# EAGLE board Mk4 Final Panel 8up 4x2 (EAGLE 9.0.1), part 3 of 23 (continued)
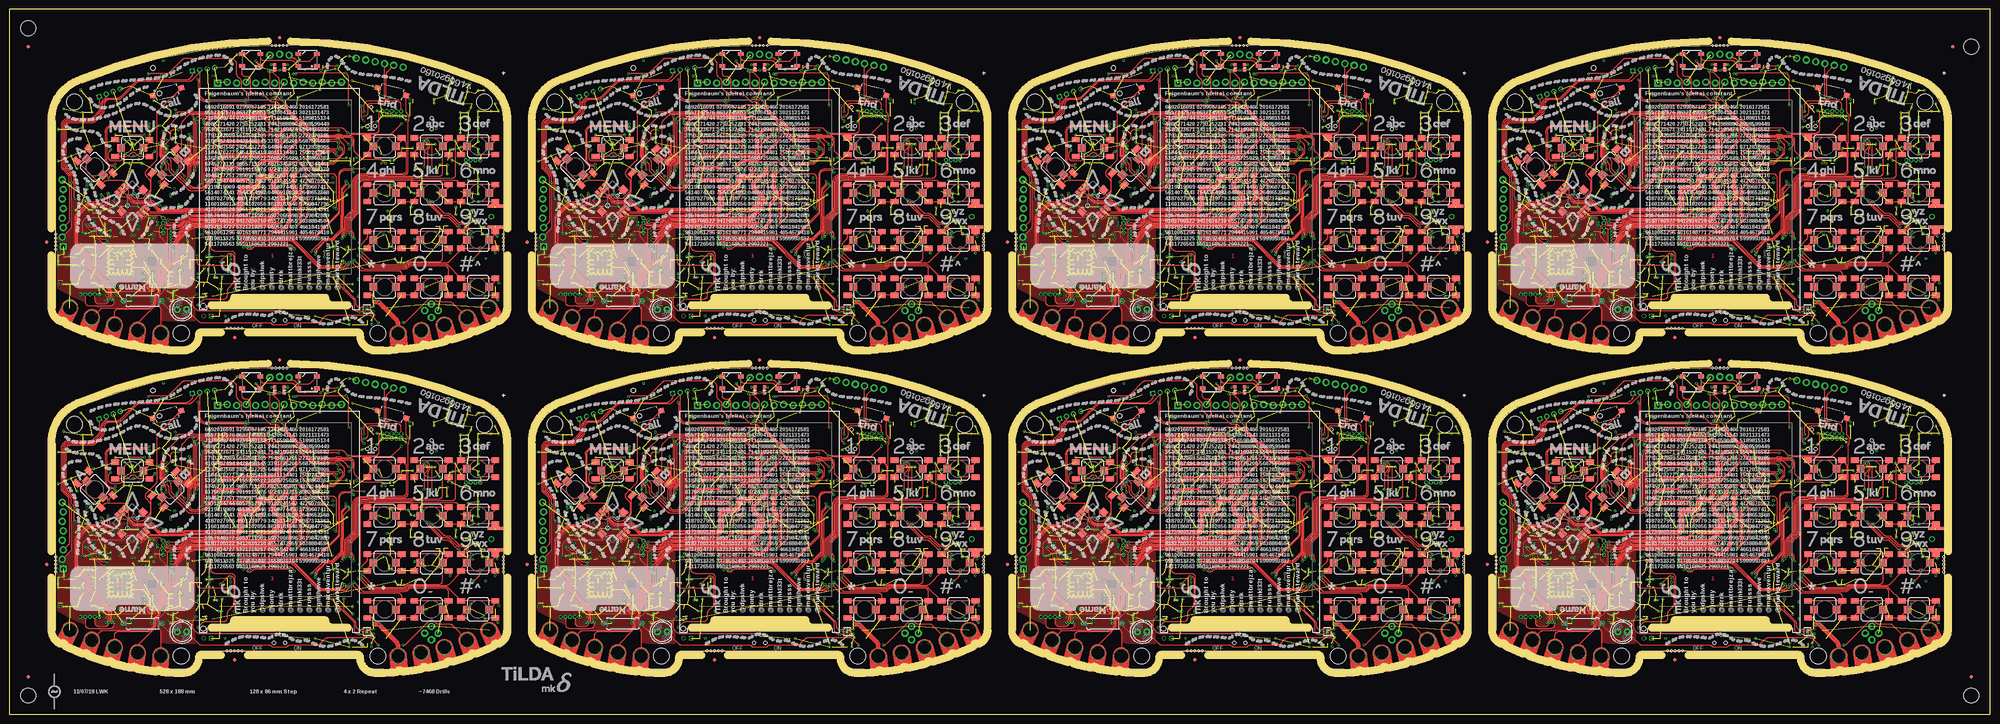
[diagram p0: board, top side]
## Placement (x,y rotation side) (continued)
R360  0402/10K/5%  [R0402-SMALLER]  349.75,59 90 bottom
R361  0402/10K/5%  [R0402-SMALLER]  350.25,61.5 180 bottom
R362  0402/22K/5%  [R0402-SMALLER]  348.25,61.5 0 bottom
R363  0402/22K/5%  [R0402-SMALLER]  348.25,60.5 0 bottom
R364  0402/14K7/5%  [R0402-SMALLER]  348.5,70.75 180 bottom
R365  0402/7K87/5%  [R0402-SMALLER]  346.5,70.75 0 bottom
R366  0402/10K/5%  [R0402-SMALLER]  353.5,66.5 270 bottom
R367  0402/10K/5%  [R0402-SMALLER]  355.75,61.75 180 bottom
R368  0402/10K/5%  [R0402-SMALLER]  362.25,71.5 180 bottom
R369  0402/150K/1%  [R0402-SMALLER]  289.95,71.45 0 bottom
R370  0402/150K/1%  [R0402-SMALLER]  289.95,70.45 0 bottom
R371  0402/10K/5%  [R0402-SMALLER]  372,25.75 90 bottom
R372  0402/732K/5%  [R0402-SMALLER]  296.95,26.35 270 bottom
R373  0402/162K/5%  [R0402-SMALLER]  297.95,26.35 90 bottom
R374  0402/10K/5%  [R0402-SMALLER]  280,28.75 270 bottom
R375  0402/100K/5%  [R0402-SMALLER]  277.25,47.2 90 bottom
R376  0402/100K/5%  [R0402-SMALLER]  278.25,47.2 90 bottom
R377  0402/100K/5%  [R0402-SMALLER]  281,28.75 270 bottom
R378  0402/10K/5%  [R0402-SMALLER]  276.5,52.25 90 bottom
R379  0402/100K/5%  [R0402-SMALLER]  279,49.25 180 bottom
R380  0402/100K/5%  [R0402-SMALLER]  293,31.75 180 bottom
R381  0402/100K/5%  [R0402-SMALLER]  293,29.75 180 bottom
R382  0402/100K/5%  [R0402-SMALLER]  294.75,38.5 90 bottom
R383  0402/100K/5%  [R0402-SMALLER]  286.5,28.25 270 bottom
R384  0402/100K/5%  [R0402-SMALLER]  282,27 270 bottom
R385  0402/100K/5%  [R0402-SMALLER]  277.25,41 90 bottom
R386  0402/10K/5%  [R0402-SMALLER]  342,39.75 90 bottom
R387  0402/150K/1%  [R0402-SMALLER]  289.95,72.4 0 bottom
R388  0402/150K/1%  [R0402-SMALLER]  290,69.5 0 bottom
R389  0402/10K/5%  [R0402-SMALLER]  286.75,68.5 0 bottom
R390  0402/0R/5%  [R0402-SMALLER]  289,73.5 180 bottom
R391  0402/12R/5%  [R0402-SMALLER]  468.5,51 270 bottom
R392  0402/12R/5%  [R0402-SMALLER]  467.5,51 270 bottom
R393  0402/12R/5%  [R0402-SMALLER]  466.5,51 270 bottom
R394  0402/12R/5%  [R0402-SMALLER]  465.5,51 270 bottom
R395  0402/2K/5%  [R0402-SMALLER]  457.27,86.5 270 bottom
R396  0402/4K7/5%  [R0402-SMALLER]  454.73,86.5 270 bottom
R397  0402/1K/5%  [R0402-SMALLER]  440.5,79.5 270 bottom
R398  0402/1K/5%  [R0402-SMALLER]  441.5,79.5 270 bottom
R399  0402/4K87/5%  [R0402-SMALLER]  446.25,69.25 0 bottom
R400  0402/10K/5%  [R0402-SMALLER]  454.5,77.25 180 bottom
R401  0402/1M/5%  [R0402-SMALLER]  446.75,71.75 90 bottom
R402  0402/2K/5%  [R0402-SMALLER]  459.75,74.95 90 bottom
R403  0402/1M/5%  [R0402-SMALLER]  473.75,90 270 bottom
R404  0402/100R/5%  [R0402-SMALLER]  474.25,86.5 180 bottom
R405  0402/10K/5%  [R0402-SMALLER]  463.5,56.25 270 bottom
R406  0402/10K/5%  [R0402-SMALLER]  474,53.75 90 bottom
R407  [0309/10]  419.5,24.25 180 top
R408  0402/10K/5%  [R0402-SMALLER]  433.75,27.25 90 bottom
R409  0402/10K/5%  [R0402-SMALLER]  441.75,35.25 0 bottom
R410  0402/10K/5%  [R0402-SMALLER]  441.75,34.25 180 bottom
R411  0402/2K/5%  [R0402-SMALLER]  441.75,36.25 180 bottom
R412  0402/10K/5%  [R0402-SMALLER]  437.25,42.5 180 bottom
R413  0402/10K/5%  [R0402-SMALLER]  437.25,41.5 180 bottom
R414  0402/10K/5%  [R0402-SMALLER]  437.75,40 90 bottom
R415  0402/4K7/5%  [R0402-SMALLER]  442.05,60.25 90 bottom
R416  0402/4K7/5%  [R0402-SMALLER]  443.05,60.25 90 bottom
R417  0402/4K7/5%  [R0402-SMALLER]  468.25,61 180 bottom
R418  0402/4K7/5%  [R0402-SMALLER]  468.25,59.75 180 bottom
R419  0402/100K/5%  [R0402-SMALLER]  421,28.75 180 bottom
R420  0402/51R/5%  [R0402-SMALLER]  493.5,64.5 90 bottom
R421  0402/51R/5%  [R0402-SMALLER]  495.5,64.5 90 bottom
R422  0402/51R/5%  [R0402-SMALLER]  496.5,64.5 90 bottom
R423  0402/4K7/5%  [R0402-SMALLER]  502.5,42.75 180 bottom
R424  0402/100K/5%  [R0402-SMALLER]  484.5,41.5 90 bottom
R425  0402/1K/5%  [R0402-SMALLER]  486,53.25 180 bottom
R426  0402/5K6/5%  [R0402-SMALLER]  486,46.25 0 bottom
R427  0402/1K/5%  [R0402-SMALLER]  486,54.25 180 bottom
R428  0402/1K/5%  [R0402-SMALLER]  486,51.25 180 bottom
R429  0402/1K/5%  [R0402-SMALLER]  486,50.25 180 bottom
R430  0402/1K/5%  [R0402-SMALLER]  486,49.25 180 bottom
R431  0402/1K/5%  [R0402-SMALLER]  486,45.25 180 bottom
R432  0402/1K/5%  [R0402-SMALLER]  486,47.25 180 bottom
R433  0402/5K6/5%  [R0402-SMALLER]  486,48.25 0 bottom
R434  0402/5K6/5%  [R0402-SMALLER]  486,52.25 0 bottom
R435  0402/1K/5%  [R0402-SMALLER]  486,44.25 180 bottom
R436  0402/1K/5%  [R0402-SMALLER]  486,43.25 180 bottom
R437  0402/10K/5%  [R0402-SMALLER]  476.75,59 90 bottom
R438  0402/10K/5%  [R0402-SMALLER]  477.75,59 90 bottom
R439  0402/10K/5%  [R0402-SMALLER]  478.25,61.5 180 bottom
R440  0402/22K/5%  [R0402-SMALLER]  476.25,61.5 0 bottom
R441  0402/22K/5%  [R0402-SMALLER]  476.25,60.5 0 bottom
R442  0402/14K7/5%  [R0402-SMALLER]  476.5,70.75 180 bottom
R443  0402/7K87/5%  [R0402-SMALLER]  474.5,70.75 0 bottom
R444  0402/10K/5%  [R0402-SMALLER]  481.5,66.5 270 bottom
R445  0402/10K/5%  [R0402-SMALLER]  483.75,61.75 180 bottom
R446  0402/10K/5%  [R0402-SMALLER]  490.25,71.5 180 bottom
R447  0402/150K/1%  [R0402-SMALLER]  417.95,71.45 0 bottom
R448  0402/150K/1%  [R0402-SMALLER]  417.95,70.45 0 bottom
R449  0402/10K/5%  [R0402-SMALLER]  500,25.75 90 bottom
R450  0402/732K/5%  [R0402-SMALLER]  424.95,26.35 270 bottom
R451  0402/162K/5%  [R0402-SMALLER]  425.95,26.35 90 bottom
R452  0402/10K/5%  [R0402-SMALLER]  408,28.75 270 bottom
R453  0402/100K/5%  [R0402-SMALLER]  405.25,47.2 90 bottom
R454  0402/100K/5%  [R0402-SMALLER]  406.25,47.2 90 bottom
R455  0402/100K/5%  [R0402-SMALLER]  409,28.75 270 bottom
R456  0402/10K/5%  [R0402-SMALLER]  404.5,52.25 90 bottom
R457  0402/100K/5%  [R0402-SMALLER]  407,49.25 180 bottom
R458  0402/100K/5%  [R0402-SMALLER]  421,31.75 180 bottom
R459  0402/100K/5%  [R0402-SMALLER]  421,29.75 180 bottom
R460  0402/100K/5%  [R0402-SMALLER]  422.75,38.5 90 bottom
R461  0402/100K/5%  [R0402-SMALLER]  414.5,28.25 270 bottom
R462  0402/100K/5%  [R0402-SMALLER]  410,27 270 bottom
R463  0402/100K/5%  [R0402-SMALLER]  405.25,41 90 bottom
R464  0402/10K/5%  [R0402-SMALLER]  470,39.75 90 bottom
R465  0402/150K/1%  [R0402-SMALLER]  417.95,72.4 0 bottom
R466  0402/150K/1%  [R0402-SMALLER]  418,69.5 0 bottom
R467  0402/10K/5%  [R0402-SMALLER]  414.75,68.5 0 bottom
R468  0402/0R/5%  [R0402-SMALLER]  417,73.5 180 bottom
R469  0402/12R/5%  [R0402-SMALLER]  340.5,137 270 bottom
R470  0402/12R/5%  [R0402-SMALLER]  339.5,137 270 bottom
R471  0402/12R/5%  [R0402-SMALLER]  338.5,137 270 bottom
R472  0402/12R/5%  [R0402-SMALLER]  337.5,137 270 bottom
R473  0402/2K/5%  [R0402-SMALLER]  329.27,172.5 270 bottom
R474  0402/4K7/5%  [R0402-SMALLER]  326.73,172.5 270 bottom
R475  0402/1K/5%  [R0402-SMALLER]  312.5,165.5 270 bottom
R476  0402/1K/5%  [R0402-SMALLER]  313.5,165.5 270 bottom
R477  0402/4K87/5%  [R0402-SMALLER]  318.25,155.25 0 bottom
R478  0402/10K/5%  [R0402-SMALLER]  326.5,163.25 180 bottom
R479  0402/1M/5%  [R0402-SMALLER]  318.75,157.75 90 bottom
R480  0402/2K/5%  [R0402-SMALLER]  331.75,160.95 90 bottom
R481  0402/1M/5%  [R0402-SMALLER]  345.75,176 270 bottom
R482  0402/100R/5%  [R0402-SMALLER]  346.25,172.5 180 bottom
R483  0402/10K/5%  [R0402-SMALLER]  335.5,142.25 270 bottom
R484  0402/10K/5%  [R0402-SMALLER]  346,139.75 90 bottom
R485  [0309/10]  291.5,110.25 180 top
R486  0402/10K/5%  [R0402-SMALLER]  305.75,113.25 90 bottom
R487  0402/10K/5%  [R0402-SMALLER]  313.75,121.25 0 bottom
R488  0402/10K/5%  [R0402-SMALLER]  313.75,120.25 180 bottom
R489  0402/2K/5%  [R0402-SMALLER]  313.75,122.25 180 bottom
R490  0402/10K/5%  [R0402-SMALLER]  309.25,128.5 180 bottom
R491  0402/10K/5%  [R0402-SMALLER]  309.25,127.5 180 bottom
R492  0402/10K/5%  [R0402-SMALLER]  309.75,126 90 bottom
R493  0402/4K7/5%  [R0402-SMALLER]  314.05,146.25 90 bottom
R494  0402/4K7/5%  [R0402-SMALLER]  315.05,146.25 90 bottom
R495  0402/4K7/5%  [R0402-SMALLER]  340.25,147 180 bottom
R496  0402/4K7/5%  [R0402-SMALLER]  340.25,145.75 180 bottom
R497  0402/100K/5%  [R0402-SMALLER]  293,114.75 180 bottom
R498  0402/51R/5%  [R0402-SMALLER]  365.5,150.5 90 bottom
R499  0402/51R/5%  [R0402-SMALLER]  367.5,150.5 90 bottom
R500  0402/51R/5%  [R0402-SMALLER]  368.5,150.5 90 bottom
R501  0402/4K7/5%  [R0402-SMALLER]  374.5,128.75 180 bottom
R502  0402/100K/5%  [R0402-SMALLER]  356.5,127.5 90 bottom
R503  0402/1K/5%  [R0402-SMALLER]  358,139.25 180 bottom
R504  0402/5K6/5%  [R0402-SMALLER]  358,132.25 0 bottom
R505  0402/1K/5%  [R0402-SMALLER]  358,140.25 180 bottom
R506  0402/1K/5%  [R0402-SMALLER]  358,137.25 180 bottom
R507  0402/1K/5%  [R0402-SMALLER]  358,136.25 180 bottom
R508  0402/1K/5%  [R0402-SMALLER]  358,135.25 180 bottom
R509  0402/1K/5%  [R0402-SMALLER]  358,131.25 180 bottom
R510  0402/1K/5%  [R0402-SMALLER]  358,133.25 180 bottom
R511  0402/5K6/5%  [R0402-SMALLER]  358,134.25 0 bottom
R512  0402/5K6/5%  [R0402-SMALLER]  358,138.25 0 bottom
R513  0402/1K/5%  [R0402-SMALLER]  358,130.25 180 bottom
R514  0402/1K/5%  [R0402-SMALLER]  358,129.25 180 bottom
R515  0402/10K/5%  [R0402-SMALLER]  348.75,145 90 bottom
R516  0402/10K/5%  [R0402-SMALLER]  349.75,145 90 bottom
R517  0402/10K/5%  [R0402-SMALLER]  350.25,147.5 180 bottom
R518  0402/22K/5%  [R0402-SMALLER]  348.25,147.5 0 bottom
R519  0402/22K/5%  [R0402-SMALLER]  348.25,146.5 0 bottom
R520  0402/14K7/5%  [R0402-SMALLER]  348.5,156.75 180 bottom
R521  0402/7K87/5%  [R0402-SMALLER]  346.5,156.75 0 bottom
R522  0402/10K/5%  [R0402-SMALLER]  353.5,152.5 270 bottom
R523  0402/10K/5%  [R0402-SMALLER]  355.75,147.75 180 bottom
R524  0402/10K/5%  [R0402-SMALLER]  362.25,157.5 180 bottom
R525  0402/150K/1%  [R0402-SMALLER]  289.95,157.45 0 bottom
R526  0402/150K/1%  [R0402-SMALLER]  289.95,156.45 0 bottom
R527  0402/10K/5%  [R0402-SMALLER]  372,111.75 90 bottom
R528  0402/732K/5%  [R0402-SMALLER]  296.95,112.35 270 bottom
R529  0402/162K/5%  [R0402-SMALLER]  297.95,112.35 90 bottom
R530  0402/10K/5%  [R0402-SMALLER]  280,114.75 270 bottom
R531  0402/100K/5%  [R0402-SMALLER]  277.25,133.2 90 bottom
R532  0402/100K/5%  [R0402-SMALLER]  278.25,133.2 90 bottom
R533  0402/100K/5%  [R0402-SMALLER]  281,114.75 270 bottom
R534  0402/10K/5%  [R0402-SMALLER]  276.5,138.25 90 bottom
R535  0402/100K/5%  [R0402-SMALLER]  279,135.25 180 bottom
R536  0402/100K/5%  [R0402-SMALLER]  293,117.75 180 bottom
R537  0402/100K/5%  [R0402-SMALLER]  293,115.75 180 bottom
R538  0402/100K/5%  [R0402-SMALLER]  294.75,124.5 90 bottom
R539  0402/100K/5%  [R0402-SMALLER]  286.5,114.25 270 bottom
R540  0402/100K/5%  [R0402-SMALLER]  282,113 270 bottom
R541  0402/100K/5%  [R0402-SMALLER]  277.25,127 90 bottom
R542  0402/10K/5%  [R0402-SMALLER]  342,125.75 90 bottom
R543  0402/150K/1%  [R0402-SMALLER]  289.95,158.4 0 bottom
R544  0402/150K/1%  [R0402-SMALLER]  290,155.5 0 bottom
R545  0402/10K/5%  [R0402-SMALLER]  286.75,154.5 0 bottom
R546  0402/0R/5%  [R0402-SMALLER]  289,159.5 180 bottom
R547  0402/12R/5%  [R0402-SMALLER]  468.5,137 270 bottom
R548  0402/12R/5%  [R0402-SMALLER]  467.5,137 270 bottom
R549  0402/12R/5%  [R0402-SMALLER]  466.5,137 270 bottom
R550  0402/12R/5%  [R0402-SMALLER]  465.5,137 270 bottom
R551  0402/2K/5%  [R0402-SMALLER]  457.27,172.5 270 bottom
R552  0402/4K7/5%  [R0402-SMALLER]  454.73,172.5 270 bottom
R553  0402/1K/5%  [R0402-SMALLER]  440.5,165.5 270 bottom
R554  0402/1K/5%  [R0402-SMALLER]  441.5,165.5 270 bottom
R555  0402/4K87/5%  [R0402-SMALLER]  446.25,155.25 0 bottom
R556  0402/10K/5%  [R0402-SMALLER]  454.5,163.25 180 bottom
R557  0402/1M/5%  [R0402-SMALLER]  446.75,157.75 90 bottom
R558  0402/2K/5%  [R0402-SMALLER]  459.75,160.95 90 bottom
R559  0402/1M/5%  [R0402-SMALLER]  473.75,176 270 bottom
R560  0402/100R/5%  [R0402-SMALLER]  474.25,172.5 180 bottom
R561  0402/10K/5%  [R0402-SMALLER]  463.5,142.25 270 bottom
R562  0402/10K/5%  [R0402-SMALLER]  474,139.75 90 bottom
R563  [0309/10]  419.5,110.25 180 top
R564  0402/10K/5%  [R0402-SMALLER]  433.75,113.25 90 bottom
R565  0402/10K/5%  [R0402-SMALLER]  441.75,121.25 0 bottom
R566  0402/10K/5%  [R0402-SMALLER]  441.75,120.25 180 bottom
R567  0402/2K/5%  [R0402-SMALLER]  441.75,122.25 180 bottom
R568  0402/10K/5%  [R0402-SMALLER]  437.25,128.5 180 bottom
R569  0402/10K/5%  [R0402-SMALLER]  437.25,127.5 180 bottom
R570  0402/10K/5%  [R0402-SMALLER]  437.75,126 90 bottom
R571  0402/4K7/5%  [R0402-SMALLER]  442.05,146.25 90 bottom
R572  0402/4K7/5%  [R0402-SMALLER]  443.05,146.25 90 bottom
R573  0402/4K7/5%  [R0402-SMALLER]  468.25,147 180 bottom
R574  0402/4K7/5%  [R0402-SMALLER]  468.25,145.75 180 bottom
R575  0402/100K/5%  [R0402-SMALLER]  421,114.75 180 bottom
R576  0402/51R/5%  [R0402-SMALLER]  493.5,150.5 90 bottom
R577  0402/51R/5%  [R0402-SMALLER]  495.5,150.5 90 bottom
R578  0402/51R/5%  [R0402-SMALLER]  496.5,150.5 90 bottom
R579  0402/4K7/5%  [R0402-SMALLER]  502.5,128.75 180 bottom
R580  0402/100K/5%  [R0402-SMALLER]  484.5,127.5 90 bottom
R581  0402/1K/5%  [R0402-SMALLER]  486,139.25 180 bottom
R582  0402/5K6/5%  [R0402-SMALLER]  486,132.25 0 bottom
R583  0402/1K/5%  [R0402-SMALLER]  486,140.25 180 bottom
R584  0402/1K/5%  [R0402-SMALLER]  486,137.25 180 bottom
R585  0402/1K/5%  [R0402-SMALLER]  486,136.25 180 bottom
R586  0402/1K/5%  [R0402-SMALLER]  486,135.25 180 bottom
R587  0402/1K/5%  [R0402-SMALLER]  486,131.25 180 bottom
R588  0402/1K/5%  [R0402-SMALLER]  486,133.25 180 bottom
R589  0402/5K6/5%  [R0402-SMALLER]  486,134.25 0 bottom
R590  0402/5K6/5%  [R0402-SMALLER]  486,138.25 0 bottom
R591  0402/1K/5%  [R0402-SMALLER]  486,130.25 180 bottom
R592  0402/1K/5%  [R0402-SMALLER]  486,129.25 180 bottom
R593  0402/10K/5%  [R0402-SMALLER]  476.75,145 90 bottom
R594  0402/10K/5%  [R0402-SMALLER]  477.75,145 90 bottom
R595  0402/10K/5%  [R0402-SMALLER]  478.25,147.5 180 bottom
R596  0402/22K/5%  [R0402-SMALLER]  476.25,147.5 0 bottom
R597  0402/22K/5%  [R0402-SMALLER]  476.25,146.5 0 bottom
R598  0402/14K7/5%  [R0402-SMALLER]  476.5,156.75 180 bottom
R599  0402/7K87/5%  [R0402-SMALLER]  474.5,156.75 0 bottom
R600  0402/10K/5%  [R0402-SMALLER]  481.5,152.5 270 bottom
R601  0402/10K/5%  [R0402-SMALLER]  483.75,147.75 180 bottom
R602  0402/10K/5%  [R0402-SMALLER]  490.25,157.5 180 bottom
R603  0402/150K/1%  [R0402-SMALLER]  417.95,157.45 0 bottom
R604  0402/150K/1%  [R0402-SMALLER]  417.95,156.45 0 bottom
R605  0402/10K/5%  [R0402-SMALLER]  500,111.75 90 bottom
R606  0402/732K/5%  [R0402-SMALLER]  424.95,112.35 270 bottom
R607  0402/162K/5%  [R0402-SMALLER]  425.95,112.35 90 bottom
R608  0402/10K/5%  [R0402-SMALLER]  408,114.75 270 bottom
R609  0402/100K/5%  [R0402-SMALLER]  405.25,133.2 90 bottom
R610  0402/100K/5%  [R0402-SMALLER]  406.25,133.2 90 bottom
R611  0402/100K/5%  [R0402-SMALLER]  409,114.75 270 bottom
R612  0402/10K/5%  [R0402-SMALLER]  404.5,138.25 90 bottom
R613  0402/100K/5%  [R0402-SMALLER]  407,135.25 180 bottom
R614  0402/100K/5%  [R0402-SMALLER]  421,117.75 180 bottom
R615  0402/100K/5%  [R0402-SMALLER]  421,115.75 180 bottom
R616  0402/100K/5%  [R0402-SMALLER]  422.75,124.5 90 bottom
R617  0402/100K/5%  [R0402-SMALLER]  414.5,114.25 270 bottom
R618  0402/100K/5%  [R0402-SMALLER]  410,113 270 bottom
R619  0402/100K/5%  [R0402-SMALLER]  405.25,127 90 bottom
R620  0402/10K/5%  [R0402-SMALLER]  470,125.75 90 bottom
R621  0402/150K/1%  [R0402-SMALLER]  417.95,158.4 0 bottom
R622  0402/150K/1%  [R0402-SMALLER]  418,155.5 0 bottom
R623  0402/10K/5%  [R0402-SMALLER]  414.75,154.5 0 bottom
R624  0402/0R/5%  [R0402-SMALLER]  417,159.5 180 bottom
S1  SKPMAPE010  [SKPMAPE010-COMBINED]  100,65.5 0 top
S2  SKPMAPE010  [SKPMAPE010-COMBINED]  112.5,65.5 0 top
S3  SKPMAPE010  [SKPMAPE010-COMBINED]  125,65.5 0 top
S4  SKPMAPE010  [SKPMAPE010-COMBINED]  100,53 0 top
S5  SKPMAPE010  [SKPMAPE010-COMBINED]  112.5,53 0 top
S6  SKPMAPE010  [SKPMAPE010-COMBINED]  125,53 0 top
S7  SKPMAPE010  [SKPMAPE010-COMBINED]  100,40.5 0 top
S8  SKPMAPE010  [SKPMAPE010-COMBINED]  112.5,40.5 0 top
S9  SKPMAPE010  [SKPMAPE010-COMBINED]  125,40.5 180 top
S10  SKPMAPE010  [SKPMAPE010-COMBINED]  100,28 0 top
S11  SKPMAPE010  [SKPMAPE010-COMBINED]  112.5,28 0 top
S12  SKPMAPE010  [SKPMAPE010-COMBINED]  125,28 0 top
S13  SKPMAPE010  [SKPMAPE010-COMBINED]  22.8,60 135 top
S14  SKPMAPE010  [SKPMAPE010-COMBINED]  32.8,65 180 top
S15  SKPMAPE010  [SKPMAPE010-COMBINED]  42.8,60 45 top
S16  3X6X2.5  [TACTILE_SWITCH_SMD_3X6X2.5H]  42,80 15 top
S17  3X6X2.5  [TACTILE_SWITCH_SMD_3X6X2.5H]  102,80 345 top
S18  CUS-12TB  [SWITCH-SPST-SMD-A]  72,19.1 180 bottom
S19  3X6X2.5  [TACTILE_SWITCH_SMD_3X6X2.5H]  84,20.25 180 bottom
S20  3X6X2.5  [TACTILE_SWITCH_SMD_3X6X2.5H]  60,20.25 180 bottom
S21  SKPMAPE010  [SKPMAPE010-COMBINED]  228,65.5 0 top
S22  AYZ0202AGRLC  [AYZ-JS-COMBINED]  112.5,71.5 90 bottom
S23  SKPMAPE010  [SKPMAPE010-COMBINED]  228,53 0 top
S24  SKPMAPE010  [SKPMAPE010-COMBINED]  228,40.5 0 top
S25  SKPMAPE010  [SKPMAPE010-COMBINED]  228,28 0 top
S26  SKPMAPE010  [SKPMAPE010-COMBINED]  240.5,65.5 0 top
S27  SKPMAPE010  [SKPMAPE010-COMBINED]  240.5,53 0 top
S28  SKPMAPE010  [SKPMAPE010-COMBINED]  240.5,40.5 0 top
S29  SKPMAPE010  [SKPMAPE010-COMBINED]  240.5,28 0 top
S30  SKPMAPE010  [SKPMAPE010-COMBINED]  253,65.5 0 top
S31  SKPMAPE010  [SKPMAPE010-COMBINED]  253,53 0 top
S32  SKPMAPE010  [SKPMAPE010-COMBINED]  253,40.5 180 top
S33  SKPMAPE010  [SKPMAPE010-COMBINED]  253,28 0 top
S34  SKPMAPE010  [SKPMAPE010-COMBINED]  170.8,60 45 top
S35  SKPMAPE010  [SKPMAPE010-COMBINED]  150.8,60 135 top
S36  SKPMAPE010  [SKPMAPE010-COMBINED]  160.8,65 180 top
S37  3X6X2.5  [TACTILE_SWITCH_SMD_3X6X2.5H]  170,80 15 top
S38  3X6X2.5  [TACTILE_SWITCH_SMD_3X6X2.5H]  230,80 345 top
S39  CUS-12TB  [SWITCH-SPST-SMD-A]  200,19.1 180 bottom
S40  3X6X2.5  [TACTILE_SWITCH_SMD_3X6X2.5H]  212,20.25 180 bottom
S41  3X6X2.5  [TACTILE_SWITCH_SMD_3X6X2.5H]  188,20.25 180 bottom
S42  AYZ0202AGRLC  [AYZ-JS-COMBINED]  240.5,71.5 90 bottom
S43  SKPMAPE010  [SKPMAPE010-COMBINED]  100,151.5 0 top
S44  SKPMAPE010  [SKPMAPE010-COMBINED]  100,139 0 top
S45  SKPMAPE010  [SKPMAPE010-COMBINED]  100,126.5 0 top
S46  SKPMAPE010  [SKPMAPE010-COMBINED]  100,114 0 top
S47  SKPMAPE010  [SKPMAPE010-COMBINED]  112.5,151.5 0 top
S48  SKPMAPE010  [SKPMAPE010-COMBINED]  112.5,139 0 top
S49  SKPMAPE010  [SKPMAPE010-COMBINED]  112.5,126.5 0 top
S50  SKPMAPE010  [SKPMAPE010-COMBINED]  112.5,114 0 top
S51  SKPMAPE010  [SKPMAPE010-COMBINED]  125,151.5 0 top
S52  SKPMAPE010  [SKPMAPE010-COMBINED]  125,139 0 top
S53  SKPMAPE010  [SKPMAPE010-COMBINED]  125,126.5 180 top
S54  SKPMAPE010  [SKPMAPE010-COMBINED]  125,114 0 top
S55  SKPMAPE010  [SKPMAPE010-COMBINED]  42.8,146 45 top
S56  SKPMAPE010  [SKPMAPE010-COMBINED]  22.8,146 135 top
S57  SKPMAPE010  [SKPMAPE010-COMBINED]  32.8,151 180 top
S58  3X6X2.5  [TACTILE_SWITCH_SMD_3X6X2.5H]  42,166 15 top
S59  3X6X2.5  [TACTILE_SWITCH_SMD_3X6X2.5H]  102,166 345 top
S60  CUS-12TB  [SWITCH-SPST-SMD-A]  72,105.1 180 bottom
S61  3X6X2.5  [TACTILE_SWITCH_SMD_3X6X2.5H]  84,106.25 180 bottom
S62  3X6X2.5  [TACTILE_SWITCH_SMD_3X6X2.5H]  60,106.25 180 bottom
S63  AYZ0202AGRLC  [AYZ-JS-COMBINED]  112.5,157.5 90 bottom
S64  SKPMAPE010  [SKPMAPE010-COMBINED]  228,151.5 0 top
S65  SKPMAPE010  [SKPMAPE010-COMBINED]  228,139 0 top
S66  SKPMAPE010  [SKPMAPE010-COMBINED]  228,126.5 0 top
S67  SKPMAPE010  [SKPMAPE010-COMBINED]  228,114 0 top
S68  SKPMAPE010  [SKPMAPE010-COMBINED]  240.5,151.5 0 top
S69  SKPMAPE010  [SKPMAPE010-COMBINED]  240.5,139 0 top
S70  SKPMAPE010  [SKPMAPE010-COMBINED]  240.5,126.5 0 top
S71  SKPMAPE010  [SKPMAPE010-COMBINED]  240.5,114 0 top
S72  SKPMAPE010  [SKPMAPE010-COMBINED]  253,151.5 0 top
S73  SKPMAPE010  [SKPMAPE010-COMBINED]  253,139 0 top
S74  SKPMAPE010  [SKPMAPE010-COMBINED]  253,126.5 180 top
S75  SKPMAPE010  [SKPMAPE010-COMBINED]  253,114 0 top
S76  SKPMAPE010  [SKPMAPE010-COMBINED]  170.8,146 45 top
S77  SKPMAPE010  [SKPMAPE010-COMBINED]  150.8,146 135 top
S78  SKPMAPE010  [SKPMAPE010-COMBINED]  160.8,151 180 top
S79  3X6X2.5  [TACTILE_SWITCH_SMD_3X6X2.5H]  170,166 15 top
S80  3X6X2.5  [TACTILE_SWITCH_SMD_3X6X2.5H]  230,166 345 top
S81  CUS-12TB  [SWITCH-SPST-SMD-A]  200,105.1 180 bottom
S82  3X6X2.5  [TACTILE_SWITCH_SMD_3X6X2.5H]  212,106.25 180 bottom
S83  3X6X2.5  [TACTILE_SWITCH_SMD_3X6X2.5H]  188,106.25 180 bottom
S84  AYZ0202AGRLC  [AYZ-JS-COMBINED]  240.5,157.5 90 bottom
S85  SKPMAPE010  [SKPMAPE010-COMBINED]  356,65.5 0 top
S86  SKPMAPE010  [SKPMAPE010-COMBINED]  356,53 0 top
S87  SKPMAPE010  [SKPMAPE010-COMBINED]  356,40.5 0 top
S88  SKPMAPE010  [SKPMAPE010-COMBINED]  356,28 0 top
S89  SKPMAPE010  [SKPMAPE010-COMBINED]  368.5,65.5 0 top
S90  SKPMAPE010  [SKPMAPE010-COMBINED]  368.5,53 0 top
S91  SKPMAPE010  [SKPMAPE010-COMBINED]  368.5,40.5 0 top
S92  SKPMAPE010  [SKPMAPE010-COMBINED]  368.5,28 0 top
S93  SKPMAPE010  [SKPMAPE010-COMBINED]  381,65.5 0 top
S94  SKPMAPE010  [SKPMAPE010-COMBINED]  381,53 0 top
S95  SKPMAPE010  [SKPMAPE010-COMBINED]  381,40.5 180 top
S96  SKPMAPE010  [SKPMAPE010-COMBINED]  381,28 0 top
S97  SKPMAPE010  [SKPMAPE010-COMBINED]  298.8,60 45 top
S98  SKPMAPE010  [SKPMAPE010-COMBINED]  278.8,60 135 top
S99  SKPMAPE010  [SKPMAPE010-COMBINED]  288.8,65 180 top
S100  3X6X2.5  [TACTILE_SWITCH_SMD_3X6X2.5H]  298,80 15 top
S101  3X6X2.5  [TACTILE_SWITCH_SMD_3X6X2.5H]  358,80 345 top
S102  CUS-12TB  [SWITCH-SPST-SMD-A]  328,19.1 180 bottom
S103  3X6X2.5  [TACTILE_SWITCH_SMD_3X6X2.5H]  340,20.25 180 bottom
S104  3X6X2.5  [TACTILE_SWITCH_SMD_3X6X2.5H]  316,20.25 180 bottom
S105  AYZ0202AGRLC  [AYZ-JS-COMBINED]  368.5,71.5 90 bottom
S106  SKPMAPE010  [SKPMAPE010-COMBINED]  484,65.5 0 top
S107  SKPMAPE010  [SKPMAPE010-COMBINED]  484,53 0 top
S108  SKPMAPE010  [SKPMAPE010-COMBINED]  484,40.5 0 top
S109  SKPMAPE010  [SKPMAPE010-COMBINED]  484,28 0 top
S110  SKPMAPE010  [SKPMAPE010-COMBINED]  496.5,65.5 0 top
S111  SKPMAPE010  [SKPMAPE010-COMBINED]  496.5,53 0 top
S112  SKPMAPE010  [SKPMAPE010-COMBINED]  496.5,40.5 0 top
S113  SKPMAPE010  [SKPMAPE010-COMBINED]  496.5,28 0 top
S114  SKPMAPE010  [SKPMAPE010-COMBINED]  509,65.5 0 top
S115  SKPMAPE010  [SKPMAPE010-COMBINED]  509,53 0 top
S116  SKPMAPE010  [SKPMAPE010-COMBINED]  509,40.5 180 top
S117  SKPMAPE010  [SKPMAPE010-COMBINED]  509,28 0 top
S118  SKPMAPE010  [SKPMAPE010-COMBINED]  426.8,60 45 top
S119  SKPMAPE010  [SKPMAPE010-COMBINED]  406.8,60 135 top
S120  SKPMAPE010  [SKPMAPE010-COMBINED]  416.8,65 180 top
S121  3X6X2.5  [TACTILE_SWITCH_SMD_3X6X2.5H]  426,80 15 top
S122  3X6X2.5  [TACTILE_SWITCH_SMD_3X6X2.5H]  486,80 345 top
S123  CUS-12TB  [SWITCH-SPST-SMD-A]  456,19.1 180 bottom
S124  3X6X2.5  [TACTILE_SWITCH_SMD_3X6X2.5H]  468,20.25 180 bottom
S125  3X6X2.5  [TACTILE_SWITCH_SMD_3X6X2.5H]  444,20.25 180 bottom
S126  AYZ0202AGRLC  [AYZ-JS-COMBINED]  496.5,71.5 90 bottom
S127  SKPMAPE010  [SKPMAPE010-COMBINED]  356,151.5 0 top
S128  SKPMAPE010  [SKPMAPE010-COMBINED]  356,139 0 top
S129  SKPMAPE010  [SKPMAPE010-COMBINED]  356,126.5 0 top
S130  SKPMAPE010  [SKPMAPE010-COMBINED]  356,114 0 top
S131  SKPMAPE010  [SKPMAPE010-COMBINED]  368.5,151.5 0 top
S132  SKPMAPE010  [SKPMAPE010-COMBINED]  368.5,139 0 top
S133  SKPMAPE010  [SKPMAPE010-COMBINED]  368.5,126.5 0 top
S134  SKPMAPE010  [SKPMAPE010-COMBINED]  368.5,114 0 top
S135  SKPMAPE010  [SKPMAPE010-COMBINED]  381,151.5 0 top
S136  SKPMAPE010  [SKPMAPE010-COMBINED]  381,139 0 top
S137  SKPMAPE010  [SKPMAPE010-COMBINED]  381,126.5 180 top
S138  SKPMAPE010  [SKPMAPE010-COMBINED]  381,114 0 top
S139  SKPMAPE010  [SKPMAPE010-COMBINED]  298.8,146 45 top
S140  SKPMAPE010  [SKPMAPE010-COMBINED]  278.8,146 135 top
S141  SKPMAPE010  [SKPMAPE010-COMBINED]  288.8,151 180 top
S142  3X6X2.5  [TACTILE_SWITCH_SMD_3X6X2.5H]  298,166 15 top
S143  3X6X2.5  [TACTILE_SWITCH_SMD_3X6X2.5H]  358,166 345 top
S144  CUS-12TB  [SWITCH-SPST-SMD-A]  328,105.1 180 bottom
S145  3X6X2.5  [TACTILE_SWITCH_SMD_3X6X2.5H]  340,106.25 180 bottom
S146  3X6X2.5  [TACTILE_SWITCH_SMD_3X6X2.5H]  316,106.25 180 bottom
S147  AYZ0202AGRLC  [AYZ-JS-COMBINED]  368.5,157.5 90 bottom
S148  SKPMAPE010  [SKPMAPE010-COMBINED]  484,151.5 0 top
S149  SKPMAPE010  [SKPMAPE010-COMBINED]  484,139 0 top
S150  SKPMAPE010  [SKPMAPE010-COMBINED]  484,126.5 0 top
S151  SKPMAPE010  [SKPMAPE010-COMBINED]  484,114 0 top
S152  SKPMAPE010  [SKPMAPE010-COMBINED]  496.5,151.5 0 top
S153  SKPMAPE010  [SKPMAPE010-COMBINED]  496.5,139 0 top
S154  SKPMAPE010  [SKPMAPE010-COMBINED]  496.5,126.5 0 top
S155  SKPMAPE010  [SKPMAPE010-COMBINED]  496.5,114 0 top
S156  SKPMAPE010  [SKPMAPE010-COMBINED]  509,151.5 0 top
S157  SKPMAPE010  [SKPMAPE010-COMBINED]  509,139 0 top
S158  SKPMAPE010  [SKPMAPE010-COMBINED]  509,126.5 180 top
S159  SKPMAPE010  [SKPMAPE010-COMBINED]  509,114 0 top
S160  SKPMAPE010  [SKPMAPE010-COMBINED]  426.8,146 45 top
S161  SKPMAPE010  [SKPMAPE010-COMBINED]  406.8,146 135 top
S162  SKPMAPE010  [SKPMAPE010-COMBINED]  416.8,151 180 top
S163  3X6X2.5  [TACTILE_SWITCH_SMD_3X6X2.5H]  426,166 15 top
S164  3X6X2.5  [TACTILE_SWITCH_SMD_3X6X2.5H]  486,166 345 top
S165  CUS-12TB  [SWITCH-SPST-SMD-A]  456,105.1 180 bottom